# KiCad board design.kicad_pcb (continued)
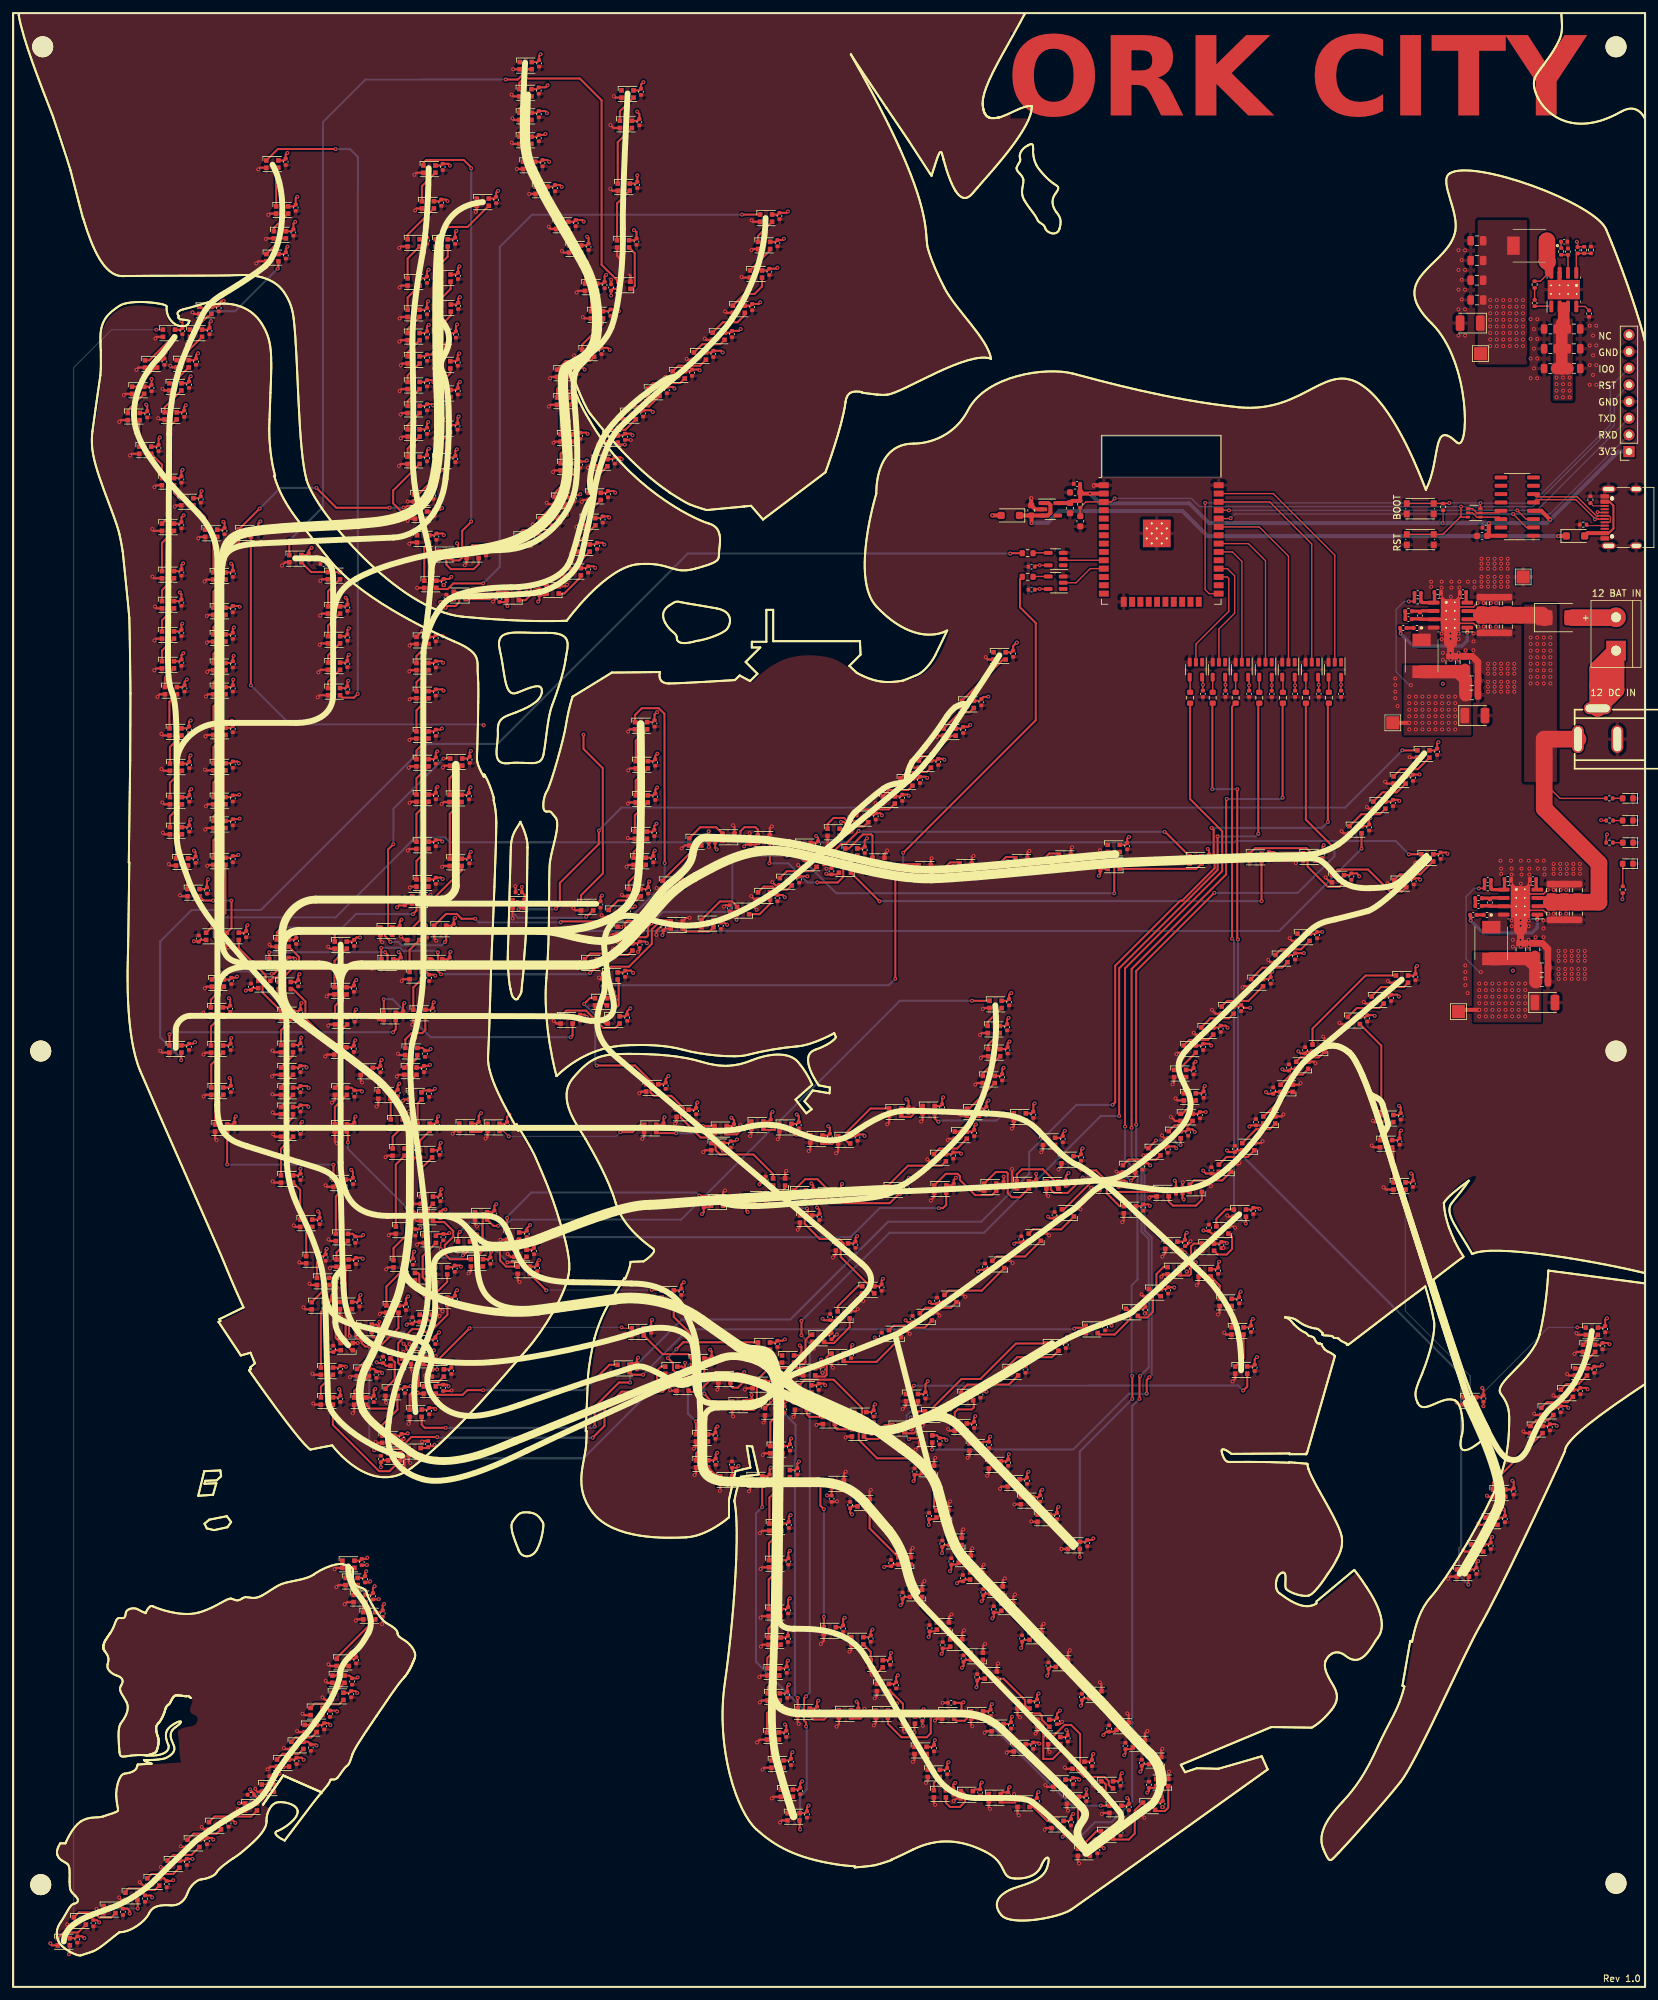
[diagram p0: board, top side]
## Routing (per net, layer and track width the routed paths; a pad name or vN(x,y) marks a point on that pad's centre or on a via; arc(x,y) is an arc through that point) (continued)
49.31,128.46 v1(49.31,128.5) 49.27,128.5 49.01,128.76 D392.2 ; 48.95,63.66 48.93,63.64 v1(48.98,63.64) 48.98,63.69 49.12,63.83 D168.2 ; v1(152.27,110.28) 151.94,110.61 D134.2 ; C207.2 95.45,157.93 v1(95.2,157.67) ; C265.2 66.72,90.79 v1(66.8,90.87) ; C403.2 138.53,39.85 v1(138.6,39.77) ; D394.2 48.17,146.63 48.01,146.47 ; C510.2 136.51,133.14 v1(137.17,133.81) ; C382.2 105.98,174.31 C383.2 105.96,173.71 v1(106,173.67) ; D209.2 185.94,115.86 186.16,115.64 v1(186.17,115.64) 186.17,115.63 186.09,115.71 ; 119.69,40.13 119.75,40.07 v1(119.69,40.07) 119.69,40.13 ; C272.2 49.24,106.64 v1(49.3,106.57) ; 160.66,26.97 160.79,26.84 v1(160.7,26.84) 160.7,26.93 160.54,27.09 D295.2 ; v1(113.77,43.34) 114.06,43.63 D267.2 ; 169.62,171.26 v1(169.84,171.13) 169.45,171.43 D160.2 ; 56.78,89.05 56.85,88.98 v1(56.85,89.01) 56.82,89.01 56.72,89.11 D28.2 ; D463.2 72.27,129.48 72.04,129.24 ; D234.2 32.55,158.5 32.72,158.33 v1(32.73,158.33) 32.73,158.32 32.65,158.4 ; v1(113.33,37.24) 113.76,37.67 D266.2 ; D396.2 48.29,158.16 47.99,158.46 v1(47.99,158.47) 47.98,158.47 48.02,158.43 ; D100.2 59.21,239.77 59.03,239.59 v1(59.03,239.54) 58.98,239.54 59.1,239.66 ; 59.26,153.37 59.13,153.24 v1(59.19,153.24) 59.19,153.3 59.41,153.52 D40.2 ; 8.37,9.48 8.23,9.34 v1(8.23,9.52) 8.41,9.52 8.38,9.49 D187.2 ; D356.2 126.56,78.19 126.85,78.48 v1(126.85,78.49) 126.86,78.49 126.75,78.38 ; D232.2 39.94,147.56 39.64,147.86 v1(39.56,147.86) 39.56,147.94 39.67,147.83 ; D15.2 142.65,84.74 142.45,84.94 v1(142.45,84.97) 142.42,84.97 142.48,84.91 ; 82.35,230.94 82.2,230.79 v1(82.26,230.79) 82.26,230.85 82.44,231.03 D86.2 ; 157.18,24.04 157.09,23.95 v1(157.17,23.95) 157.17,24.03 157.33,24.19 D344.2 ; 86.75,226.4 v1(86.65,226.24) 86.87,226.52 D56.2 ; C473.2 108.52,164.79 v1(108.3,164.57) ; 133.28,131.51 133.17,131.4 v1(133.17,131.42) 133.19,131.42 133.47,131.7 D456.2 ; 34.31,27.03 34.25,27.09 v1(34.25,27.08) 34.26,27.08 34.48,26.86 D180.2 ; D368.2 164.93,30.24 164.51,30.66 v1(164.51,30.68) 164.49,30.68 164.58,30.59 ; D80.2 86.04,258.39 85.84,258.19 v1(85.84,258.13) 85.78,258.13 85.93,258.28 ; D105.2 v1(61.55,213.13) ; D158.2 91.72,157.89 91.43,158.18 v1(91.41,158.18) 91.41,158.2 91.45,158.16 ; D481.2 177.42,142.32 177.21,142.11 v1(177.21,142.09) 177.19,142.09 177.26,142.16 ; v1(54.02,98.45) 52.8,99.67 ; 16.12,238.46 16.09,238.43 v1(16.16,238.43) 16.16,238.5 16.35,238.69 D192.2 ; D255.2 37.56,277.15 37.33,276.92 v1(37.33,276.9) 37.31,276.9 37.38,276.97 ; v1(112.2,175.77) 112.31,175.67 C381.2 ; D342.2 64.14,159.74 v1(64.46,159.39) 64.32,159.56 ; 183.64,102.49 183.57,102.42 v1(183.57,102.44) 183.59,102.44 183.82,102.67 D448.2 ; D150.2 29.28,135.91 29.03,135.66 v1(29.02,135.66) 29.02,135.65 29.11,135.74 ; 184.66,99.52 184.51,99.67 v1(184.51,99.66) 184.52,99.66 184.8,99.38 D447.2 ; D10.2 155.19,70.85 v1(155.12,70.92) ; 194.52,159.66 194.4,159.78 v1(194.48,159.78) 194.48,159.7 194.82,159.36 D486.2 ; v1(41.69,155.19) 41.97,155.47 C203.2 ; 180.38,106.94 180.32,106.88 v1(180.32,106.89) 180.33,106.89 180.6,107.17 D449.2 ; D312.2 56.99,126.63 56.76,126.4 v1(56.74,126.4) 56.74,126.38 56.8,126.44 ; 65.59,185.88 65.48,185.77 v1(65.5,185.77) 65.5,185.79 65.76,186.05 D322.2 ; v1(58.63,142.16) 58.83,141.96 D38.2 ; D485.2 191.56,156.11 v1(191.22,156.45) ; v1(152.55,73.52) D11.2 ; v1(48.27,109.49) 48.49,109.71 D146.2 ; D176.2 43.45,38.81 43.28,38.98 v1(43.26,38.98) 43.26,39 43.29,38.97 ; 65.38,170.68 65.32,170.62 v1(65.35,170.62) 65.35,170.65 65.47,170.77 D320.2 ; v1(103.81,77.97) 104.05,78.22 D372.2 ; 150.07,49.22 149.86,49.01 D363.2 ; 150.07,49.22 150.13,49.28 v1(150.07,49.28) 150.07,49.22 ; v1(224.54,74.82) 224.69,74.67 D109.2 ; v1(110.92,119.46) 111.62,120.15 C430.2 ; 136.97,66.79 137.06,66.88 v1(137.05,66.88) 137.05,66.87 136.72,66.55 D358.2 ; 105.91,130.2 105.82,130.29 v1(105.82,130.28) 105.83,130.28 106.05,130.06 D461.2 ; D208.2 185.14,117.33 v1(184.98,117.49) ; C259.2 184.38,112.55 v1(184.4,112.57) ; 59.16,247.17 59.03,247.04 v1(59.06,247.04) 59.06,247.07 59.31,247.32 D98.2 ; 40.66,150.79 40.76,150.69 v1(40.73,150.69) 40.73,150.72 40.47,150.98 D317.2 ; 29.26,190.51 29.27,190.52 v1(29.29,190.52) 29.29,190.54 29.48,190.73 D202.2 ; D122.2 209.74,152.98 209.49,153.23 v1(209.44,153.23) 209.44,153.28 209.53,153.19 ; D229.2 39.67,135.89 39.58,135.98 v1(39.5,135.98) 39.5,136.06 39.52,136.04 ; D163.2 188.16,171.53 v1(187.24,172.39) 187.42,172.27 ; 19.35,15.9 19.28,15.97 v1(19.28,15.95) 19.3,15.95 19.81,15.44 D184.2 ; 122.49,85.64 122.39,85.54 v1(122.39,85.61) 122.46,85.61 122.59,85.74 D22.2 ; 175.08,111.29 v1(175.08,111.25) 175.04,111.25 175.08,111.29 ; D387.2 147.55,145.31 147.29,145.05 v1(147.29,145.03) 147.27,145.03 147.31,145.07 ; 148.44,77.92 148.39,77.87 v1(148.39,77.88) 148.4,77.88 148.64,78.12 D13.2 ; 182.69,148.76 182.61,148.84 v1(182.65,148.84) 182.65,148.8 183.19,148.26 D483.2 ; v1(60.39,97.91) 60.77,97.53 D466.2 ; D77.2 78.64,273.16 v1(78.62,273.14) ; C188.2 123.32,93.57 v1(123.3,93.59) ; D132.2 v1(162.62,118.46) ; D162.2 128.3,170.85 v1(128.61,170.54) ; 115.7,120.42 115.84,120.28 v1(115.84,120.36) 115.76,120.36 115.56,120.56 D378.2 ; D241.2 22.34,196.93 21.99,196.58 v1(21.99,196.53) 21.94,196.53 22.04,196.63 ; D254.2 39.04,270.16 38.88,270 v1(38.88,269.96) 38.84,269.96 38.9,270.02 ; v1(38.51,266.29) 38.6,266.38 D253.2 ; 60.41,196.21 60.52,196.31 D47.2 ; 60.41,196.21 60.35,196.15 v1(60.41,196.15) 60.41,196.21 ; D178.2 39.17,33.55 v1(38.76,33.14) ; v1(23.74,171.06) 23.97,170.83 D236.2 ; 148.24,202.47 148.12,202.59 v1(148.18,202.59) 148.18,202.53 148.49,202.22 D432.2 ; 141.12,102.39 141.23,102.28 v1(141.14,102.28) 141.14,102.37 140.88,102.63 D136.2 ; 123.08,52.28 123.04,52.24 v1(123.06,52.24) 123.06,52.26 123.5,52.7 D355.2 ; D326.2 146.05,172.07 146.26,172.28 v1(146.32,172.28) 146.32,172.34 146.19,172.21 ; C219.2 55.66,59.03 v1(55.7,59.07) ; D270.2 114.06,56.48 113.86,56.28 v1(113.86,56.24) 113.82,56.24 113.89,56.31 ; D484.2 187.48,152.44 187.32,152.28 v1(187.3,152.28) 187.3,152.26 187.38,152.34 ; 111.57,91.06 111.5,90.99 v1(111.5,91.01) 111.52,91.01 111.71,91.2 D24.2 ; D30.2 64.79,102.41 64.97,102.23 v1(64.97,102.18) 65.02,102.18 64.89,102.31 ; v1(53.9,64.27) 53.87,64.24 C217.2 ; D318.2 39.31,158.47 39.06,158.72 ; D357.2 130.49,75.57 130.63,75.71 v1(130.67,75.71) 130.67,75.75 130.6,75.68 ; 218.67,62.28 218.58,62.19 v1(218.62,62.19) 218.62,62.23 218.9,62.51 D106.2 ; 147.78,148.97 v1(147.75,148.97) 147.75,148.94 147.78,148.97 ; 147.78,148.97 147.94,149.13 D388.2 ; 81.35,226.08 81.3,226.13 v1(81.3,226.1) 81.33,226.1 81.54,225.89 D87.2 ; D59.2 91.99,238.83 v1(91.8,238.64) ; D391.2 61.44,116.69 60.94,117.19 v1(60.92,117.19) 60.92,117.21 61.01,117.12 ; 180.33,112.14 180.31,112.14 v1(180.19,112.12) 180.35,112.14 D210.2 ; 66.81,112.33 66.72,112.24 v1(66.75,112.24) 66.75,112.27 66.93,112.45 D469.2 ; 223.31,70.53 223.23,70.61 v1(223.24,70.61) 223.24,70.6 223.45,70.39 D108.2 ; 105.43,251.05 105.36,251.12 v1(105.36,251.11) 105.37,251.11 105.56,250.92 D63.2 ; 131.56,180.3 v1(131.4,180.35) 131.59,180.27 D427.2 ; D474.2 157.42,120.72 157.64,120.5 v1(157.69,120.5) 157.69,120.45 157.59,120.55 ; C189.2 112.5,88.48 v1(112.4,88.57) ; D473.2 152.26,121.64 152.21,121.69 v1(152.19,124.6) 152.21,124.52 ; 83.68,264.4 83.61,264.47 v1(83.61,264.46) 83.62,264.46 83.86,264.22 D79.2 ; D249.2 24.23,246.73 23.99,246.97 v1(23.96,246.97) 23.96,247 24.02,246.94 ; 48.61,134.72 48.58,134.69 v1(48.58,134.7) 48.59,134.7 49.02,135.12 D393.2 ; D369.2 166.04,26.5 165.88,26.34 v1(165.87,26.34) 165.87,26.33 165.95,26.41 ; 86.9,254.32 86.79,254.43 v1(86.79,254.38) 86.84,254.38 87.03,254.19 D81.2 ; v1(59.09,160.04) 59.65,159.48 D41.2 ; C515.2 110,130.47 v1(110.8,131.28) ; 236.82,93.31 236.75,93.38 v1(236.75,93.35) 236.78,93.35 236.99,93.14 D113.2 ; D215.2 91.16,93.67 90.96,93.47 v1(90.96,93.42) 90.91,93.42 91,93.51 ; D85.2 82.46,235.42 82.33,235.29 v1(82.33,235.24) 82.28,235.24 82.38,235.34 ; D216.2 61.83,90.38 61.67,90.54 v1(61.61,90.54) 61.61,90.6 61.72,90.49 ; D282.2 147.63,64.06 v1(147.88,64.31) ; 72.04,129.24 v1(71.96,129.24) 71.96,129.16 72.04,129.24 ; 39.06,158.72 v1(39.06,158.78) 39,158.78 39.06,158.72 ; D111.2 231.93,87.12 231.73,87.32 v1(231.73,87.34) 231.71,87.34 231.82,87.23 ; v1(74.24,113.82) 75.24,113.82 ; D152.2 29.29,148.13 29,148.42 v1(28.99,148.42) 28.99,148.43 29.08,148.34 ; D131.2 164.47,121.49 164.24,121.72 v1(164.23,121.72) 164.23,121.73 164.3,121.66 ; 47.59,141.82 47.53,141.76 v1(47.56,141.76) 47.56,141.79 47.81,142.04 D316.2 ; D272.2 114.1,69.49 113.78,69.17 v1(113.78,69.13) 113.74,69.13 113.85,69.24 ; D125.2 195.91,137.44 196.14,137.67 v1(196.14,137.68) 196.15,137.68 196.08,137.61 ; 162.42,99.78 162.34,99.86 v1(162.34,99.81) 162.39,99.81 162.59,99.61 D214.2 ; D352.2 131.59,44.28 v1(131.26,43.96) 131.43,44.12 ; D430.2 140.94,190.61 140.78,190.45 v1(140.78,190.42) 140.75,190.42 140.85,190.52 ; D165.2 200.7,168.27 199.96,169.01 v1(199.96,169.02) 199.95,169.02 200.04,168.93 ; D159.2 118.75,173.18 118.55,173.38 v1(118.48,173.38) 118.48,173.45 118.58,173.35 ; D305.2 99.35,92.49 99.23,92.37 v1(99.23,92.33) 99.19,92.33 99.27,92.41 ; D177.2 41.33,36.24 41.25,36.32 v1(41.25,36.38) 41.19,36.38 41.23,36.34 ; v1(48.05,113.88) 48.3,113.63 D147.2 ; v1(178.2,122.57) 178.15,122.52 C178.2 178.13,121.8 C179.2 ; 39.55,133.17 39.51,133.21 v1(39.56,133.21) 39.56,133.16 39.77,132.95 D228.2 ; D418.2 89.5,153.46 v1(89.27,153.76) 89.37,153.59 ; D186.2 13.34,11.23 12.7,11.87 v1(12.7,11.88) 12.69,11.88 12.73,11.84 ; v1(111.08,92.8) 110.73,92.45 C72.2 ; D201.2 29.69,196.93 29.37,196.61 v1(29.37,196.6) 29.36,196.6 29.42,196.66 ; D330.2 115.28,176.56 v1(115.59,176.81) 115.42,176.7 ; D441.2 128.36,102.93 128.67,103.24 v1(128.67,103.26) 128.69,103.26 128.59,103.16 ; 21.62,210.25 v1(21.62,210.29) 21.58,210.29 21.62,210.25 ; D219.2 59.19,81.31 59.63,80.86 59.63,78.89 v1(59.62,78.88) ; 22.79,180.41 22.73,180.47 v1(22.73,180.44) 22.76,180.44 23.04,180.16 D238.2 ; 146.61,137.52 146.54,137.45 v1(146.59,137.45) 146.59,137.5 146.78,137.69 D385.2 ; D349.2 139.34,31.34 v1(139.08,31.07) ; 98.12,167.4 98.11,167.4 v1(98.04,167.41) 98.13,167.4 D333.2 ; D421.2 112.86,164.52 113.27,164.11 v1(113.28,164.11) 113.28,164.1 113.2,164.18 ; 102.67,248.02 102.61,248.08 v1(102.61,248.03) 102.66,248.03 102.79,247.9 D62.2 ; 48.01,146.47 v1(48.01,146.45) 47.99,146.45 48.01,146.47 ; D27.2 55.38,82.87 v1(55.24,83.01) ; D141.2 103.48,93.74 103.4,93.66 v1(103.4,93.58) 103.32,93.58 103.44,93.7 ; v1(39.5,142.66) 39.77,142.39 D231.2 ; D444.2 138.2,82.57 137.5,81.87 v1(137.5,81.84) 137.47,81.84 137.56,81.93 ; 44.13,41.62 44.08,41.67 v1(44.08,41.61) 44.14,41.61 44.35,41.4 D175.2 ; D235.2 25.63,166.15 25.46,166.32 v1(25.44,166.32) 25.44,166.34 25.48,166.3 ; 21.58,205.19 21.51,205.12 v1(21.54,205.12) 21.54,205.15 21.8,205.41 D243.2 ; v1(64.8,245.6) 64.8,245.73 64.77,245.75 D402.2 ; C504.2 178.68,112.85 179.38,113.55 v1(179.38,113.59) ; 64.39,264.01 64.4,264 v1(64.4,263.93) 64.47,263.93 64.38,264.01 D398.2 ; C262.2 172.44,102.63 v1(172.4,102.58) ; D195.2 24.78,225.71 24.63,225.56 v1(24.63,225.52) 24.59,225.52 24.64,225.57 ; v1(90.99,273.92) 91.27,273.64 D70.2 ; 234.75,90.04 234.67,90.12 v1(234.67,90.11) 234.68,90.11 234.9,89.89 D112.2 ; D164.2 195.8,171.6 195.43,171.23 v1(195.43,171.21) 195.41,171.21 195.5,171.3 ; 49.91,102.19 50.01,102.09 v1(50.01,102.11) 49.99,102.11 49.8,102.31 D144.2 ; D34.2 61.1,126.35 60.97,126.22 v1(60.97,126.17) 60.92,126.17 60.99,126.24 ; D428.2 134.43,183 v1(134.21,183.22) ; 156.48,97.06 156.38,97.16 v1(156.38,97.07) 156.47,97.07 156.62,96.92 D18.2 ; D65.2 111.07,260.4 110.98,260.49 v1(110.96,260.49) 110.96,260.51 110.99,260.48 ; D189.2 21.85,251.38 21.68,251.21 v1(21.68,251.12) 21.59,251.12 21.69,251.22 ; 150.31,93.31 150.27,93.35 v1(150.27,93.34) 150.28,93.34 150.46,93.16 D17.2 ; D399.2 64.81,258.75 64.97,258.59 v1(64.98,258.59) 64.98,258.58 64.89,258.67 ; D92.2 61.4,276.38 61.13,276.11 v1(61.13,276.07) 61.09,276.07 61.21,276.19 ; 60.77,119.54 60.71,119.6 v1(60.77,119.6) 60.77,119.54 ; 60.77,119.54 61.01,119.3 D33.2 ; 55.47,134.16 55.36,134.05 v1(55.36,134.11) 55.42,134.11 55.63,134.32 D314.2 ; D78.2 81.88,267.82 81.6,268.1 v1(81.6,268.16) 81.54,268.16 81.63,268.07 ; v1(92.58,263.17) 92.01,263.74 D71.2 ; D148.2 47.82,121.89 47.6,122.11 v1(47.6,122.12) 47.59,122.12 47.65,122.06 ; D302.2 125.81,40.01 125.45,39.65 v1(125.44,39.65) 125.44,39.64 125.5,39.7 ; D332.2 102.33,173.9 101.88,173.45 v1(101.84,173.45) 101.84,173.41 101.9,173.47 ; 60.39,185.84 60.27,185.72 v1(60.27,185.74) 60.29,185.74 60.49,185.94 D45.2 ; 57.31,114.58 57.23,114.5 v1(57.23,114.51) 57.24,114.51 57.46,114.73 D311.2 ; v1(52.5,98.09) D145.2 ; D296.2 157.52,30.47 157.26,30.73 v1(157.25,30.73) 157.25,30.74 157.32,30.67 ; D482.2 180.12,145.07 179.87,145.32 v1(179.87,145.35) 179.84,145.35 179.9,145.29 ; 64.26,235.95 64.2,235.89 v1(64.2,235.92) 64.23,235.92 64.73,236.43 D404.2 ; 64.09,230.94 64.05,230.9 v1(64.06,230.9) 64.06,230.91 64.41,231.26 D405.2 ; D66.2 112.64,264.76 112.5,264.62 v1(112.5,264.59) 112.47,264.59 112.51,264.63 ; D478.2 177.03,131.92 176.41,132.54 v1(176.38,132.54) 176.38,132.57 176.42,132.53 ; D373.2 104.02,82.36 103.71,82.04 v1(103.71,82.01) 103.68,82.01 103.8,82.13 ; 143.49,89.35 143.46,89.35 v1(143.39,89.32) 143.52,89.35 D16.2 ; D114.2 238.18,96.73 237.89,96.44 v1(237.87,96.44) 237.87,96.42 237.93,96.48 ; 125.53,127.09 125.38,126.94 v1(125.38,127.01) 125.45,127.01 125.7,127.26 D457.2 ; 21.56,200.64 21.49,200.57 v1(21.52,200.57) 21.52,200.6 21.79,200.87 D242.2 ; v1(172.2,126.68) D476.2 ; 77.01,107.5 77.16,107.35 v1(77.16,107.39) 77.12,107.39 76.88,107.63 D375.2 ; v1(60.12,226.29) D406.2 ; D124.2 198.2,140.95 198.41,140.74 v1(198.41,140.72) 198.43,140.72 198.38,140.77 ; C461.2 76.54,167.63 v1(76.5,167.67) ; D425.2 124.08,173.93 ; D261.2 41.46,217.04 v1(40.96,216.54) ; 168.18,124.15 168.1,124.23 v1(168.1,124.21) 168.12,124.21 168.24,124.09 D475.2 ; 29.28,176.36 29.24,176.32 v1(29.26,176.32) 29.26,176.34 29.46,176.54 D205.2 ; 76.09,284.58 76,284.67 v1(76.08,284.67) 76.08,284.59 76.25,284.42 D74.2 ; D221.2 45.83,93.25 45.66,93.42 v1(45.59,93.42) 45.59,93.49 45.67,93.41 ; D154.2 38.05,155.46 37.82,155.69 v1(37.82,155.7) 37.81,155.7 37.88,155.63 ; 70.54,270.47 70.48,270.41 v1(70.48,270.42) 70.49,270.42 70.62,270.56 D397.2 ; 40.54,154.06 40.61,154.13 v1(40.61,154.12) 40.6,154.12 40.24,153.76 39.68,153.76 D233.2 ; 85.91,222.56 85.78,222.43 v1(85.82,222.43) 85.82,222.47 86.02,222.67 D55.2 ; 156.94,55.27 157,55.33 v1(157,55.31) 156.98,55.31 156.69,55.01 D285.2 ; 93.88,260.88 94.05,260.71 D72.2 ; D36.2 59.54,135.19 59.39,135.04 v1(59.39,134.99) 59.34,134.99 59.48,135.13 ; 207.07,128.1 206.98,128.19 v1(206.99,128.19) 206.99,128.18 207.26,127.91 D118.2 ; 60.42,204.43 60.34,204.35 v1(60.41,204.35) 60.41,204.42 60.57,204.58 D49.2 ; D170.2 50.87,58.62 50.54,58.29 v1(50.51,58.29) 50.51,58.26 50.63,58.38 ; D35.2 60.78,130.4 60.55,130.17 v1(60.55,130.15) ; D248.2 23.06,243.21 22.81,243.46 v1(22.77,243.46) 22.77,243.5 22.88,243.39 ; D416.2 82.82,146.76 82.42,147.16 v1(82.36,147.16) 82.36,147.22 82.4,147.18 ; D401.2 64.47,250.02 v1(64.69,249.8) ; D258.2 46.93,204.68 46.72,204.47 v1(46.71,204.47) 46.71,204.46 46.74,204.49 ; 185.82,92.27 185.77,92.22 v1(185.77,92.24) 185.79,92.24 186.19,92.64 D446.2 ; 112.31,174.88 112.3,174.87 ; D309.2 56.06,102.71 55.87,102.52 v1(55.86,102.52) 55.86,102.51 55.94,102.59 ; 87.68,231.58 87.53,231.43 v1(87.58,231.43) 87.58,231.48 87.76,231.66 D57.2 ; v1(165.56,46.39) 165.81,46.15 D287.2 ; 190.33,128.78 190.37,128.82 v1(190.36,128.82) 190.36,128.81 190.1,128.55 D127.2 ; C417.2 159.45,40.02 v1(159.8,40.37) ; 47.66,46.56 47.6,46.62 v1(47.63,46.62) 47.63,46.59 47.9,46.32 D173.2 ; 113.75,47.29 113.66,47.2 v1(113.69,47.2) 113.69,47.23 113.89,47.43 D268.2 ; 58.82,231.81 58.72,231.71 v1(58.77,231.71) 58.77,231.76 59.02,232.01 D102.2 ; D213.2 v1(168.54,102.22)
  Top w0.5: 217.52,212.48 v1(217.52,211.8) 217.52,211.75 U4.9 ; 225.09,164.63 U5.7 229.02,164.63 ; 214.34,208.43 213.12,208.43 ; 220.4,212.48 v1(220.4,211.82) 220.4,211.7 U4.9 ; 231.07,168.76 v1(231.07,168.1) 231.07,167.98 U5.9 ; 225,164.71 223.79,164.71 ; 228.19,168.76 v1(228.19,168.08) 228.19,168.03 U5.9 ; 218.35,208.35 U4.7 214.42,208.35
  Top w0.61: U3.2 155.72,225.1 C6.2 155.1,226.77 v1(155.12,226.79) ; U2.1 164.7,228.77 v1(164.63,228.7) ; U6.9 235.6,261.12 U6.7
  Top w1: 229.65,159.05 229.65,161.11 ; 234.35,162.57 238.05,162.57 ; 233.84,155.26 233.84,158.12 232.97,159 229.7,159 ; 219.04,202.72 222.3,202.72 223.17,201.84 223.17,198.98 ; 233.83,153.11 233.83,155.25 ; 223.16,196.83 223.16,198.97 ; 223.69,206.29 227.39,206.29 ; 234.35,168 238.05,168 ; 223.69,211.72 227.39,211.72 ; 218.99,204.83 218.99,202.77
  Top w2: 229.65,161.11 U5.9 ; U4.9 218.99,204.83
  vias: v1(124.08,173.77) v1(210.57,199.33) v1(210.57,198.33) v1(210.57,197.33) v1(210.57,196.33) v1(210.92,195.12) v1(216.04,214.08) v1(216.04,213.28) v1(217.64,214.08) v1(217.64,213.18) v1(217.64,206.18) v1(217.64,205.31) v1(217.82,203.23) v1(217.82,202.18) v1(217.82,198.53) v1(219.04,211.78) v1(218.99,206.18) v1(218.99,205.37) v1(218.99,203.23) v1(219.02,202.18) v1(219.14,214.08) v1(219.14,213.18) v1(220.2,264.57) v1(220.2,261.57) v1(220.2,258.57) v1(220.2,255.57) v1(220.2,251.57) v1(220.24,206.18) v1(220.23,205.32) v1(220.24,203.23) v1(220.22,202.23) v1(220.34,214.08) v1(220.34,213.18) v1(220.7,263.07) v1(220.7,260.07) v1(220.7,257.07) v1(221.2,264.57) v1(221.2,261.57) v1(221.2,258.57) v1(221.2,255.57) v1(221.2,251.57) v1(221.24,155.61) v1(221.24,154.61) v1(221.24,153.61) v1(221.24,152.61) v1(221.3,203.63) v1(221.64,214.08) v1(221.59,151.4) v1(222.5,206.18) v1(222.5,204.98) v1(222.49,203.63) v1(222.64,214.08) v1(222.64,213.18) v1(223.14,210.83) v1(223.24,207.23) v1(223.7,217.57) v1(223.7,216.82) v1(223.7,216.07) v1(223.7,214.82) v1(223.7,214.07) v1(223.7,213.32) v1(224.04,210.83) v1(224.04,207.23) v1(224.7,217.57) v1(224.7,216.82) v1(224.7,216.07) v1(224.7,214.82) v1(224.7,214.07) v1(224.7,213.32) v1(224.7,201.57) v1(224.7,200.82) v1(224.7,200.07) v1(224.7,198.82) v1(224.7,198.07) v1(224.7,197.32) v1(225.04,207.23) v1(225.14,210.83) v1(225.7,217.57) v1(225.7,216.82) v1(225.7,216.07) v1(225.7,214.82) v1(225.7,214.07) v1(225.7,213.32) v1(225.7,201.57) v1(225.7,200.82) v1(225.7,200.07) v1(225.7,198.82) v1(225.7,198.07) v1(225.7,197.32) v1(225.94,210.83) v1(225.94,207.23) v1(226.6,171.57) v1(226.7,217.57) v1(226.7,216.82) v1(226.7,216.07) v1(226.7,214.82) v1(226.7,214.07) v1(226.7,213.32) v1(226.7,201.57) v1(226.7,200.82) v1(226.7,200.07) v1(226.7,198.82) v1(226.7,198.07) v1(226.7,197.32) v1(226.7,170.36) v1(226.7,169.56) v1(227.7,217.57) v1(227.7,216.82) v1(227.7,216.07) v1(227.7,214.82) v1(227.7,214.07) v1(227.7,213.32) v1(227.7,201.57) v1(227.7,200.82) v1(227.7,200.07) v1(227.7,198.82) v1(227.7,198.07) v1(227.7,197.32) v1(228.2,171.57) v1(228.3,170.36) v1(228.3,169.46) v1(228.3,162.46) v1(228.31,161.59) v1(228.49,159.51) v1(228.49,158.46) v1(228.49,154.81) v1(228.7,201.57) v1(228.7,200.82) v1(228.7,200.07) v1(228.7,198.82) v1(228.7,198.07) v1(228.7,197.32) v1(229.65,162.46) v1(229.65,159.51) v1(229.7,171.57) v1(229.7,168.06) v1(229.66,161.65) v1(229.69,158.46) v1(229.8,170.36) v1(229.8,169.46) v1(230.9,171.57) v1(230.9,162.46) v1(230.9,161.6) v1(230.9,159.51) v1(230.89,158.51) v1(231,170.36) v1(231,169.46) v1(231.2,254.07) v1(231.2,251.07) v1(231.2,248.07) v1(231.2,245.07) v1(231.7,252.57) v1(231.7,249.57) v1(231.7,246.57) v1(231.96,159.91) v1(232.2,254.07) v1(232.2,251.07) v1(232.2,248.07) v1(232.2,245.07) v1(232.2,171.57) v1(232.3,170.36) v1(233.15,159.91) v1(233.2,171.57) v1(233.16,162.46) v1(233.16,161.26) v1(233.3,170.36) v1(233.3,169.46) v1(233.8,167.11) v1(233.9,163.51) v1(234.7,171.07) v1(234.7,170.32) v1(234.7,169.57) v1(234.7,167.11) v1(234.7,163.51) v1(235.45,157.82) v1(235.45,157.07) v1(235.45,156.32) v1(235.45,155.07) v1(235.45,154.32) v1(235.45,153.57) v1(235.7,171.07) v1(235.7,170.32) v1(235.7,169.57) v1(235.7,163.51) v1(235.8,167.11) v1(236.45,157.82) v1(236.45,157.07) v1(236.45,156.32) v1(236.45,155.07) v1(236.45,154.32) v1(236.45,153.57) v1(236.6,167.11) v1(236.6,163.51) v1(236.7,171.07) v1(236.7,170.32) v1(236.7,169.57) v1(237.45,157.82) v1(237.45,157.07) v1(237.45,156.32) v1(237.45,155.07) v1(237.45,154.32) v1(237.45,153.57) v1(237.7,171.07) v1(237.7,170.32) v1(237.7,169.57) v1(238.45,157.82) v1(238.45,157.07) v1(238.45,156.32) v1(238.45,155.07) v1(238.45,154.32) v1(238.45,153.57) v1(238.7,171.07) v1(238.7,170.32) v1(238.7,169.57) v1(239.45,157.82) v1(239.45,157.07) v1(239.45,156.32) v1(239.45,155.07) v1(239.45,154.32) v1(239.45,153.57) v1(240.2,253.07) v1(240.2,250.07) v1(240.2,247.07) v1(240.2,244.07) v1(240.7,251.57) v1(240.7,248.57) v1(240.7,245.57) v1(241.2,253.07) v1(241.2,250.07) v1(241.2,247.07) v1(241.2,244.07)
/Controller/D+: length 14.6
  Top w0.152: J2.B6 241.45,224.62 v1(241.4,224.67)
  Top w0.2: U1.5 232.03,226.56 238.09,226.56 241.01,223.65 241.52,223.65 241.55,223.62 J2.A6
  Bottom w0.152: v1(241.4,224.67) 241.4,224.01 v1(240.99,223.59)
/Controller/D-: length 14.8
  Top w0.152: J2.B7 243.25,223.12 243.32,223.2 243.32,223.95 243.15,224.12 J2.A7
  Top w0.2: J2.A7 241.55,224.12 241.52,224.1 241.2,224.1 238.28,227.01 232.03,227.01 U1.6
/Controller/IO0: length 99.4
  Top w0.203: SW1.1 SW1.1 217.84,225.99 R3.2 218.71,225.98 v1(218.8,226.07) ; v1(181.6,226.07) 181.6,212.87 182.21,212.26 U2.25 ; Q1.3 223.55,226.05 v1(223.55,226.05)
  Bottom w0.203: J1.6 243.33,243.75 243.33,237.98 231.4,226.05 v1(223.55,226.05) 223.53,226.07 v1(218.8,226.07) v1(181.6,226.07)
/Controller/IO16: length 16.5
  Top w0.203: U2.27 184.97,214.8 185.2,214.57 185.2,209.57 180.2,204.57 U7.2
/Controller/IO17: length 17.1
  Top w0.203: U2.28 185,216.07 186.1,214.97 186.1,209.27 183.7,206.87 U8.2
/Controller/IO18: length 19.5
  Top w0.203: U9.2 187.2,217.17 185.76,218.61 U2.30
/Controller/IO19: length 23.7
  Top w0.203: U10.2 190.8,217.27 188.19,219.88 U2.31
/Controller/IO21: length 28.6
  Top w0.203: U2.33 189.85,222.42 194.3,217.97 U11.2
/Controller/IO22: length 34.9
  Top w0.203: U2.36 191.44,226.23 197.85,219.82 U14.2
/Controller/IO23: length 37.9
  Top w0.203: U15.2 201.35,218.12 191.97,227.5 U2.37
/Controller/IO25: length 6.3
  Top w0.203: U2.10 160.16,217.34 159.98,217.52
/Controller/IO26: length 7.1
  Top w0.203: U2.11 164.1,216.07 161.95,213.92 159.98,213.92
/Controller/RESET: length 108
  Top w0.203: 220.45,223.92 220.58,224.05 v1(220.58,225.51) ; 220.45,223.92 217.82,221.29 SW2.2 SW2.2 ; 220.45,223.92 221.65,223.92 ; v1(167.82,226.76) 167.3,226.23 U2.3 163.44,226.23 R4.2 162.57,224.07 C5.1
  Bottom w0.203: v1(167.82,226.76) 179.52,226.76 180.76,225.51 v1(220.58,225.51) 220.6,225.5 231.52,225.5 243.96,237.94 243.96,241.84 J1.5
/Controller/RXD0: length 71.7
  Top w0.203: U2.34 185.44,223.69 v1(185.5,223.75) ; U1.2 230.57,222.34 v1(228.52,224.39)
  Bottom w0.203: J1.2 234.13,224.39 v1(228.52,224.39) 186.14,224.39 v1(185.5,223.75)
/Controller/SW3: length 7.7
  Top w0.203: R17.1 232.68,259.86 233.99,261.17
  Top w1.27: 233.78,262.8 233.99,262.59 233.99,261.17
  Top w2.54: 233.78,262.8 233.68,262.91 233.68,266.02
/Controller/TXD0: length 71.4
  Top w0.203: v1(229.16,224.94) 230.49,223.61 U1.3 ; v1(185.23,224.94) 185.21,224.96 U2.35
  Bottom w0.203: v1(185.23,224.94) v1(229.16,224.94) 232.14,224.94 J1.3
Net-(C13-Pad1): length 1.1
  Top w0.5: 212.27,207.03 213.4,207.03
Net-(C23-Pad1): length 1.2
  Top w0.5: 212.1,208.38 212.1,209.53
Net-(C29-Pad1): length 1.1
  Top w0.5: 222.94,163.31 224.07,163.31
Net-(C39-Pad1): length 1.2
  Top w0.5: 222.77,164.66 222.77,165.81
Net-(C45-Pad1): length 1.8
  Top w0.203: R17.2 C45.1
Net-(C55-Pad1): length 1
  Top w0.203: R20.2 235.83,264.92 C55.1
Net-(D1-K): length 92.4
  Top w0.61: U3.1 157.74,226.05 158.03,225.76 158.03,224.56 157.62,224.15 U3.3 155.12,224.15 C6.1 ; v1(235.41,221.02) 235.43,221.04 D1.1 ; D2.1 153.33,224.17 C6.1 ; C6.1 155.16,224.11 v1(155.16,223)
  Bottom w0.61: v1(155.16,223) 155.22,223.06 157.65,223.06 159.42,224.83 178.17,224.83 181.98,221.02 v1(235.41,221.02)
Net-(D3-A): length 1.5
  Top w0.203: D3.2 R5.1
Net-(D4-A): length 1.5
  Top w0.203: R6.1 243.7,181.07 D4.2
Net-(D5-A): length 6.7
  Top w2.54: J3.2 244.14,208.59 D5.2
Net-(D6-A): length 1.5
  Top w0.203: R9.2 245.21,177.69 D6.2
Net-(D7-A): length 3.4
  Top w0.203: R14.2 245.22,171.1 D7.2
Net-(D9-DIN): length 144
  Top w0.305: v1(170.5,93.07) v1(170.5,89.57) ; v1(162.5,65.47) 162.5,66.7 D9.3 ; R22.2 179.31,180.96 184.2,176.07 184.2,169.97 169.4,155.17 v1(169.4,131.07)
  Bottom w0.305: v1(170.5,93.07) 170.4,93.17 170.4,106.87 171.3,107.77 171.3,124.17 169.4,126.07 v1(169.4,131.07) ; v1(162.5,65.47) 162.5,81.57 v1(170.5,89.57)
Net-(D10-DIN): length 4.2
  Top w0.305: 160.68,67.82 160.68,68.09 160.49,68.28 160.47,68.28 D10.3
Net-(D10-DOUT): length 1.9
  Top w0.305: D10.1 156.07,72.8 D11.3
Net-(D11-DOUT): length 1.4
  Top w0.305: D11.1 153.52,76.05
Net-(D12-DOUT): length 2.1
  Top w0.305: D13.3 151.51,77.94 D12.1
Net-(D13-DOUT): length 2.1
  Top w0.305: D13.1 148.64,80.57 D14.3
Net-(D14-DOUT): length 2.1
  Top w0.305: D15.3 145.7,84.33 D14.1
Net-(D15-DOUT): length 5.8
  Top w0.305: D15.1 143.46,87.51 143.93,87.98 146.08,87.98 146.36,88.26 146.36,89.19
Net-(D16-DOUT): length 10
  Top w0.305: D16.1 144.42,90.8 145.38,91.76 151.72,91.76 D17.3
Net-(D17-DOUT): length 9.1
  Top w0.305: D17.1 152.96,95.93 158.28,95.93 D18.3
Net-(D18-DOUT): length 23.4
  Top w0.305: D19.3 140.52,86.58 140.08,87.03 140.08,88.2 144.49,92.61 147.37,92.61 152.78,98.02 D18.1
Net-(D19-DOUT): length 5.9
  Top w0.305: D19.1 137.97,87.68 137.51,87.22 137.51,84.6 137.25,84.34 135.95,84.34
Net-(D20-DOUT): length 6
  Top w0.305: D20.1 132.8,85.61 132.3,85.11 132.3,83.97 131.8,83.47 130,83.47 D21.3
Net-(D21-DOUT): length 3.2
  Top w0.305: D22.3 125.2,85.26 125.51,84.95 D21.1
Net-(D22-DOUT): length 3.3
  Top w0.305: D23.3 120.94,87.22 121.32,86.84 D22.1
Net-(D23-DOUT): length 5.5
  Top w0.305: D24.3 115.65,90.03 117.69,90.03 118.7,89.02 D23.1
Net-(D24-DOUT): length 4.4
  Top w0.305: D25.3 109.27,91.62 109.6,91.29 110.41,91.29 111.42,92.3 D24.1
Net-(D25-DOUT): length 5.4
  Top w0.305: 103.09,90.65 104.4,90.65 104.66,90.91 104.66,90.91 106.89,93.14 D25.1
Net-(D26-DOUT): length 48.8
  Top w0.305: v1(64.6,83.77) 60.68,83.77 59.34,82.43 58.5,82.43 D27.3 ; v1(88.3,83.67) 90.1,85.47 90.1,88.07 92.71,90.68 98.97,90.68 99.84,91.54 100.57,91.54 100.64,91.47 D26.1
  Bottom w0.305: v1(88.3,83.67) 64.7,83.67 v1(64.6,83.77)
Net-(D27-DOUT): length 7
  Top w0.305: D28.3 58.55,87.93 56.23,85.61 D27.1
Net-(D28-DOUT): length 5.4
  Top w0.305: 57.58,95.73 58.14,95.17 58.14,92.55 D28.1
Net-(D29-DOUT): length 11
  Top w0.305: D30.3 62.21,102.41 62.6,102.02 62.6,100.7 62.11,100.21 60.8,100.21 58.66,98.07 58.66,95.08 59.11,94.63 D29.1
Net-(D30-DOUT): length 8.9
  Top w0.305: D31.3 61.67,108.77 61.88,108.56 61.88,105.93 63.06,104.75 63.06,101.82 63.57,101.31 D30.1
Net-(D31-DOUT): length 6.9
  Top w0.305: D32.3 62.39,111.31 62.39,108.11 62.84,107.67 D31.1
Net-(D32-DOUT): length 5.4
  Top w0.305: D33.3 63.3,118.65 63.3,115.15 D32.1
Net-(D33-DOUT): length 6.7
  Top w0.305: D33.1 62.12,124.64 D34.3
Net-(D34-DOUT): length 3.5
  Top w0.305: D35.3 62,128.95 D34.1
Net-(D35-DOUT): length 3.9
  Top w0.305: D35.1 61.62,134.6 D36.3
Net-(D36-DOUT): length 3.1
  Top w0.305: D37.3 60.38,137.89 D36.1
Net-(D37-DOUT): length 3
  Top w0.305: D38.3 61.57,141.5 61.07,141 60.56,141 D37.1
Net-(D38-DOUT): length 6.9
  Top w0.305: D39.3 62.8,145.77 62.8,145.77 62.33,145.3 60.7,145.3 59.74,144.34 D38.1
Net-(D39-DOUT): length 5.2
  Top w0.305: D40.3 60.97,152.26 D39.1
Net-(D40-DOUT): length 5.5
  Top w0.305: D40.1 60.4,157.99 D41.3
